# KiCad board FlightComputer.kicad_pcb (continued)
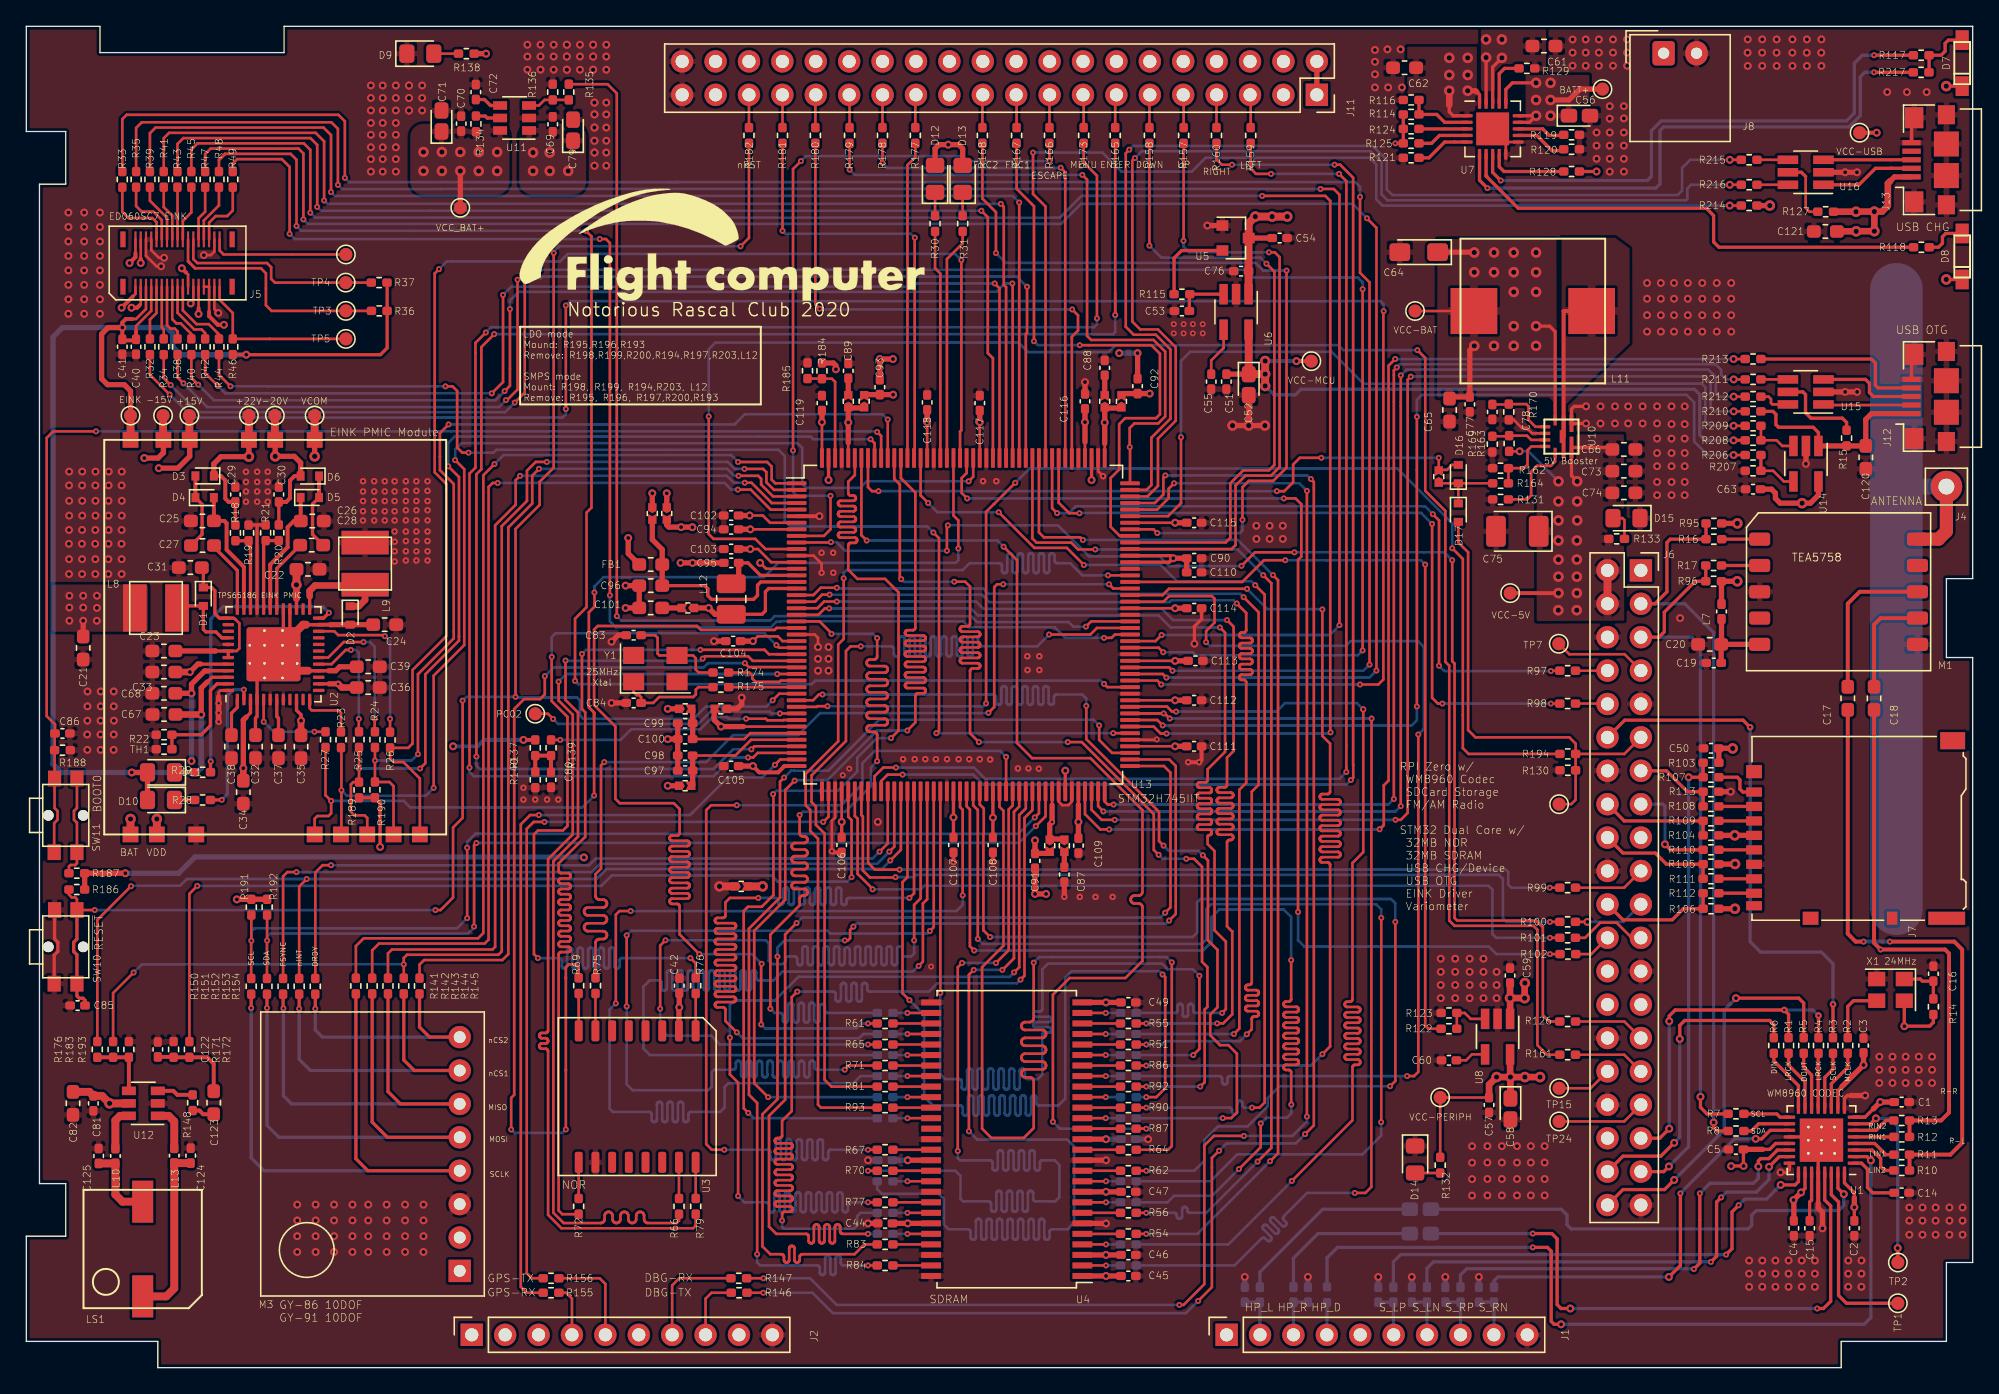
[diagram p0: board, top side]
## Placement (name value [footprint] x y rotation side) (continued)
R80  33R  [R_0402_1005Metric_Pad0.72x0.64mm_HandSolder]  65.3 11.78 0 bottom
R81  33R  [R_0402_1005Metric_Pad0.72x0.64mm_HandSolder]  65.3 21.38 180 top
R82  33R  [R_0402_1005Metric_Pad0.72x0.64mm_HandSolder]  65.3 10.17 0 bottom
R83  33R  [R_0402_1005Metric_Pad0.72x0.64mm_HandSolder]  65.3 9.38 0 top
R84  33R  [R_0402_1005Metric_Pad0.72x0.64mm_HandSolder]  65.3 7.78 0 top
R85  33R  [R_0402_1005Metric_Pad0.72x0.64mm_HandSolder]  83.8 22.17 0 bottom
R86  33R  [R_0402_1005Metric_Pad0.72x0.64mm_HandSolder]  83.8 22.97 0 top
R87  33R  [R_0402_1005Metric_Pad0.72x0.64mm_HandSolder]  83.8 18.17 0 top
R88  33R  [R_0402_1005Metric_Pad0.72x0.64mm_HandSolder]  65.3 18.97 180 bottom
R89  33R  [R_0402_1005Metric_Pad0.72x0.64mm_HandSolder]  83.8 18.97 0 bottom
R90  33R  [R_0402_1005Metric_Pad0.72x0.64mm_HandSolder]  83.8 19.78 0 top
R91  33R  [R_0402_1005Metric_Pad0.72x0.64mm_HandSolder]  83.8 20.58 0 bottom
R92  33R  [R_0402_1005Metric_Pad0.72x0.64mm_HandSolder]  83.8 21.38 0 top
R93  33R  [R_0402_1005Metric_Pad0.72x0.64mm_HandSolder]  65.3 19.78 180 top
R94  33R  [R_0402_1005Metric_Pad0.72x0.64mm_HandSolder]  65.3 20.58 180 bottom
R95  47K  [R_0402_1005Metric_Pad0.72x0.64mm_HandSolder]  128.32 64.2 180 top
R96  47K  [R_0402_1005Metric_Pad0.72x0.64mm_HandSolder]  128.3 59.8 180 top
R97  33R  [R_0402_1005Metric_Pad0.72x0.64mm_HandSolder]  117.2 53 0 top
R98  33R  [R_0402_1005Metric_Pad0.72x0.64mm_HandSolder]  117.2 50.5 0 top
R99  33R  [R_0402_1005Metric_Pad0.72x0.64mm_HandSolder]  117.2 36.5 180 top
R100  33R  [R_0402_1005Metric_Pad0.72x0.64mm_HandSolder]  117.2 33.9 180 top
R101  33R  [R_0402_1005Metric_Pad0.72x0.64mm_HandSolder]  117.2 32.69 180 top
R102  33R  [R_0402_1005Metric_Pad0.72x0.64mm_HandSolder]  117.22 31.45 0 top
R103  47K  [R_0402_1005Metric_Pad0.72x0.64mm_HandSolder]  128.1 46 180 top
R104  47K  [R_0402_1005Metric_Pad0.72x0.64mm_HandSolder]  128.1 40.48 180 top
R105  47K  [R_0402_1005Metric_Pad0.72x0.64mm_HandSolder]  128.1 38.29 180 top
R106  47K  [R_0402_1005Metric_Pad0.72x0.64mm_HandSolder]  128.1 34.9 180 top
R107  33R  [R_0402_1005Metric_Pad0.72x0.64mm_HandSolder]  128.1 44.9 180 top
R108  33R  [R_0402_1005Metric_Pad0.72x0.64mm_HandSolder]  128.1 42.68 180 top
R109  33R  [R_0402_1005Metric_Pad0.72x0.64mm_HandSolder]  128.1 41.58 180 top
R110  33R  [R_0402_1005Metric_Pad0.72x0.64mm_HandSolder]  128.1 39.38 180 top
R111  33R  [R_0402_1005Metric_Pad0.72x0.64mm_HandSolder]  128.1 37.18 180 top
R112  33R  [R_0402_1005Metric_Pad0.72x0.64mm_HandSolder]  128.1 36.08 180 top
R113  100K  [R_0402_1005Metric_Pad0.72x0.64mm_HandSolder]  128.1 43.8 0 top
R114  270K  [R_0402_1005Metric_Pad0.72x0.64mm_HandSolder]  105.3 95.3 0 top
R115  1M  [R_0402_1005Metric_Pad0.72x0.64mm_HandSolder]  87.87 81.63 180 top
R116  100K  [R_0402_1005Metric_Pad0.72x0.64mm_HandSolder]  105.3 96.4 180 top
R117  N/C  [R_0402_1005Metric_Pad0.72x0.64mm_HandSolder]  144.09 99.8 180 top
R118  1K  [R_0402_1005Metric_Pad0.72x0.64mm_HandSolder]  144.1 85.2 180 top
R119  1K  [R_0402_1005Metric_Pad0.72x0.64mm_HandSolder]  117.5 93.75 180 top
R120  100K  [R_0402_1005Metric_Pad0.72x0.64mm_HandSolder]  117.5 92.65 180 top
R121  15K  [R_0402_1005Metric_Pad0.72x0.64mm_HandSolder]  105.3 92 0 top
R122  33R  [R_0402_1005Metric_Pad0.72x0.64mm_HandSolder]  108.17 25.78 180 top
R123  100K  [R_0402_1005Metric_Pad0.72x0.64mm_HandSolder]  108.17 26.97 0 top
R124  0R  [R_0402_1005Metric_Pad0.72x0.64mm_HandSolder]  105.3 94.2 180 top
R125  0R  [R_0402_1005Metric_Pad0.72x0.64mm_HandSolder]  105.3 93.1 180 top
R126  33R  [R_0402_1005Metric_Pad0.72x0.64mm_HandSolder]  117.2 26.33 180 top
R127  0R  [R_0402_1005Metric_Pad0.72x0.64mm_HandSolder]  136.82 87.9 180 top
R128  0R  [R_0402_1005Metric_Pad0.72x0.64mm_HandSolder]  117.5 90.96 0 top
R129  0R  [R_0402_1005Metric_Pad0.72x0.64mm_HandSolder]  114.1 98.8 0 top
R130  100K  [R_0402_1005Metric_Pad0.72x0.64mm_HandSolder]  117.21 45.43 180 top
R131  0R  [R_0402_1005Metric_Pad0.72x0.64mm_HandSolder]  112.1 66.03 0 top
R132  1K  [R_0402_1005Metric_Pad0.72x0.64mm_HandSolder]  107.51 15.4 270 top
R133  1K  [R_0402_1005Metric_Pad0.72x0.64mm_HandSolder]  120.92 63.02 0 top
R134  1K  [R_0402_1005Metric_Pad0.72x0.64mm_HandSolder]  34.19 94.58 270 top
R135  33R  [R_0402_1005Metric_Pad0.72x0.64mm_HandSolder]  41.25 97 270 top
R136  100K  [R_0402_1005Metric_Pad0.72x0.64mm_HandSolder]  40.03 97 270 top
R137  560K  [R_0402_1005Metric_Pad0.72x0.64mm_HandSolder]  38.7 47.14 270 top
R138  1K  [R_0402_1005Metric_Pad0.72x0.64mm_HandSolder]  33.46 99.92 180 top
R139  0R  [R_0402_1005Metric_Pad0.72x0.64mm_HandSolder]  39.9 47.14 270 top
R140  1M  [R_0402_1005Metric_Pad0.72x0.64mm_HandSolder]  38.7 44.7 90 top
R141  33R  [R_0402_1005Metric_Pad0.72x0.64mm_HandSolder]  25.06 29.03 90 top
R142  33R  [R_0402_1005Metric_Pad0.72x0.64mm_HandSolder]  26.3 29.03 90 top
R143  33R  [R_0402_1005Metric_Pad0.72x0.64mm_HandSolder]  27.5 29.03 90 top
R144  33R  [R_0402_1005Metric_Pad0.72x0.64mm_HandSolder]  28.7 29.03 90 top
R145  33R  [R_0402_1005Metric_Pad0.72x0.64mm_HandSolder]  29.9 29.03 90 top
R146  33R  [R_0402_1005Metric_Pad0.72x0.64mm_HandSolder]  54.2 5.7 0 top
R147  33R  [R_0402_1005Metric_Pad0.72x0.64mm_HandSolder]  54.17 6.8 0 top
R148  47K  [R_0402_1005Metric_Pad0.72x0.64mm_HandSolder]  12.65 20.15 90 top
R150  33R  [R_0402_1005Metric_Pad0.72x0.64mm_HandSolder]  17.1 29 90 top
R151  33R  [R_0402_1005Metric_Pad0.72x0.64mm_HandSolder]  18.3 29 90 top
R152  33R  [R_0402_1005Metric_Pad0.72x0.64mm_HandSolder]  19.52 29 90 top
R153  33R  [R_0402_1005Metric_Pad0.72x0.64mm_HandSolder]  20.75 29 90 top
R154  33R  [R_0402_1005Metric_Pad0.72x0.64mm_HandSolder]  21.98 29 90 top
R155  33R  [R_0402_1005Metric_Pad0.72x0.64mm_HandSolder]  39.9 5.7 180 top
R156  33R  [R_0402_1005Metric_Pad0.72x0.64mm_HandSolder]  39.9 6.8 180 top
R157  0R  [R_0402_1005Metric_Pad0.72x0.64mm_HandSolder]  88 93.7 270 top
R158  0R  [R_0402_1005Metric_Pad0.72x0.64mm_HandSolder]  85.4 93.7 270 top
R159  0R  [R_0402_1005Metric_Pad0.72x0.64mm_HandSolder]  93.1 93.7 270 top
R160  0R  [R_0402_1005Metric_Pad0.72x0.64mm_HandSolder]  90.5 93.7 270 top
R161  33R  [R_0402_1005Metric_Pad0.72x0.64mm_HandSolder]  117.2 23.8 180 top
R162  1M  [R_0402_1005Metric_Pad0.72x0.64mm_HandSolder]  112.1 68.4 180 top
R163  1M  [R_0402_1005Metric_Pad0.72x0.64mm_HandSolder]  112.75 70.28 90 top
R164  33R  [R_0402_1005Metric_Pad0.72x0.64mm_HandSolder]  112.1 67.25 0 top
R165  0R  [R_0402_1005Metric_Pad0.72x0.64mm_HandSolder]  82.8 93.7 270 top
R166  0R  [R_0402_1005Metric_Pad0.72x0.64mm_HandSolder]  77.8 93.7 270 top
R167  0R  [R_0402_1005Metric_Pad0.72x0.64mm_HandSolder]  75.3 93.7 270 top
R168  0R  [R_0402_1005Metric_Pad0.72x0.64mm_HandSolder]  72.7 93.7 270 top
R169  332K 0.5%  [R_0402_1005Metric_Pad0.72x0.64mm_HandSolder]  111.47 70.22 90 top
R170  41.2K 0.5%  [R_0402_1005Metric_Pad0.72x0.64mm_HandSolder]  112.72 72.67 90 top
R171  1K  [R_0402_1005Metric_Pad0.72x0.64mm_HandSolder]  11.2 24.2 90 top
R172  2K  [R_0402_1005Metric_Pad0.72x0.64mm_HandSolder]  12.4 24.2 90 top
R173  0R  [R_0402_1005Metric_Pad0.72x0.64mm_HandSolder]  80.4 93.7 270 top
R174  0R  [R_0402_1005Metric_Pad0.72x0.64mm_HandSolder]  52.81 52.86 0 top
R175  0R  [R_0402_1005Metric_Pad0.72x0.64mm_HandSolder]  52.81 51.75 0 top
R176  33R  [R_0402_1005Metric_Pad0.72x0.64mm_HandSolder]  5.4 24.2 90 top
R177  33R  [R_0402_1005Metric_Pad0.72x0.64mm_HandSolder]  67.6 93.7 90 top
R178  33R  [R_0402_1005Metric_Pad0.72x0.64mm_HandSolder]  65.1 93.7 90 top
R179  33R  [R_0402_1005Metric_Pad0.72x0.64mm_HandSolder]  62.6 93.7 90 top
R180  33R  [R_0402_1005Metric_Pad0.72x0.64mm_HandSolder]  60 93.7 90 top
R181  33R  [R_0402_1005Metric_Pad0.72x0.64mm_HandSolder]  57.5 93.7 90 top
R182  33R  [R_0402_1005Metric_Pad0.72x0.64mm_HandSolder]  54.95 93.7 90 top
R183  33R  [R_0402_1005Metric_Pad0.72x0.64mm_HandSolder]  6.6 24.2 90 top
R184  10K  [R_0402_1005Metric_Pad0.72x0.64mm_HandSolder]  60.5 75.8 270 top
R185  N/C  [R_0402_1005Metric_Pad0.72x0.64mm_HandSolder]  59.4 75.81 270 top
R186  100K  [R_0402_1005Metric_Pad0.72x0.64mm_HandSolder]  3.84 36.36 0 top
R187  1K  [R_0402_1005Metric_Pad0.72x0.64mm_HandSolder]  3.84 37.6 0 top
R188  100K  [R_0402_1005Metric_Pad0.72x0.64mm_HandSolder]  2.75 46.96 180 top
R189  10K  [R_0402_1005Metric_Pad0.72x0.64mm_HandSolder]  25.3 43.93 90 top
R190  10K  [R_0402_1005Metric_Pad0.72x0.64mm_HandSolder]  26.51 43.94 90 top
R191  10K  [R_0402_1005Metric_Pad0.72x0.64mm_HandSolder]  17.11 35.02 270 top
R192  10K  [R_0402_1005Metric_Pad0.72x0.64mm_HandSolder]  18.31 35.02 270 top
R193  100K  [R_0402_1005Metric_Pad0.72x0.64mm_HandSolder]  7.8 24.2 90 top
R194  33R  [R_0402_1005Metric_Pad0.72x0.64mm_HandSolder]  117.21 46.67 0 top
R206  33R  [R_0402_1005Metric_Pad0.72x0.64mm_HandSolder]  131.3 69.4 0 top
R207  10K  [R_0402_1005Metric_Pad0.72x0.64mm_HandSolder]  131.3 68.2 180 top
R208  47k  [R_0402_1005Metric_Pad0.72x0.64mm_HandSolder]  131.3 70.52 180 top
R209  33R  [R_0402_1005Metric_Pad0.72x0.64mm_HandSolder]  131.3 71.62 0 top
R210  33R  [R_0402_1005Metric_Pad0.72x0.64mm_HandSolder]  131.3 72.72 0 top
R211  33R  [R_0402_1005Metric_Pad0.72x0.64mm_HandSolder]  131.3 75.15 0 top
R212  33R  [R_0402_1005Metric_Pad0.72x0.64mm_HandSolder]  131.3 73.84 0 top
R213  33R  [R_0402_1005Metric_Pad0.72x0.64mm_HandSolder]  131.3 76.7 0 top
R214  33R  [R_0402_1005Metric_Pad0.72x0.64mm_HandSolder]  131 88.37 0 top
R215  33R  [R_0402_1005Metric_Pad0.72x0.64mm_HandSolder]  131 91.85 0 top
R216  33R  [R_0402_1005Metric_Pad0.72x0.64mm_HandSolder]  131 89.95 0 top
R217  1K  [R_0402_1005Metric_Pad0.72x0.64mm_HandSolder]  144.08 98.5 180 top
SW10  SW_Push  [SW-TACT-436351045816]  3 32 270 top
SW11  SW_Push  [SW-TACT-436351045816]  3 42 270 top
TH1  NCP18XH103F03RB(10K)  [R_0402_1005Metric_Pad0.72x0.64mm_HandSolder]  10.47 47.03 180 top
TP1  OUT3  [TestPoint_Pad_D1.0mm]  142.31 4.9 90 top
TP2  RINPUT3  [TestPoint_Pad_D1.0mm]  142.31 8 180 top
TP3  EINK_SPI_SCL  [TestPoint_Pad_D1.0mm]  24.3 80.36 0 top
TP4  EINK_SPI_SDI  [TestPoint_Pad_D1.0mm]  24.29 82.51 0 top
TP5  EINK_SPI_CS  [TestPoint_Pad_D1.0mm]  24.3 78.23 0 top
TP6  EINK_SPI_SDO  [TestPoint_Pad_D1.0mm]  24.3 84.65 0 top
TP7  GPCLK0  [TestPoint_Pad_D1.0mm]  116.53 55.05 0 top
TP8  +22V  [TestPoint_Pad_D1.0mm]  16.93 72.4 0 top
TP9  -20V  [TestPoint_Pad_D1.0mm]  18.9 72.4 0 top
TP10  +15V  [TestPoint_Pad_D1.0mm]  12.4 72.4 0 top
TP11  -15V  [TestPoint_Pad_D1.0mm]  10.4 72.4 0 top
TP12  VCOM  [TestPoint_Pad_D1.0mm]  21.93 72.4 0 top
TP13  PC2  [TestPoint_Pad_D1.0mm]  38.7 49.73 0 top
TP14  BCM17  [TestPoint_Pad_D1.0mm]  116.55 42.85 0 top
TP15  PWM0  [TestPoint_Pad_D1.0mm]  116.55 21.25 0 top
TP16  VCC-EINK  [TestPoint_Pad_D1.0mm]  7.92 72.4 0 top
TP17  +BATT  [TestPoint_Pad_D1.0mm]  119.85 97.22 0 top
TP18  VCC_MCU  [TestPoint_Pad_D1.0mm]  97.71 76.54 0 top
TP19  VCC_BAT  [TestPoint_Pad_D1.0mm]  105.6 80.35 0 top
TP20  VCC_PERIH  [TestPoint_Pad_D1.0mm]  107.51 20.55 0 top
TP21  VCC_5V  [TestPoint_Pad_D1.0mm]  112.83 58.9 0 top
TP22  VCC_BAT+  [TestPoint_Pad_D1.0mm]  33 88.2 0 top
TP23  VCC_USB  [TestPoint_Pad_D1.0mm]  139.4 93.91 0 top
TP24  PWM1  [TestPoint_Pad_D1.0mm]  116.55 18.72 0 top
U1  WM8960  [QFN-32-1EP_5x5mm_P0.5mm_EP3.3x3.3mm_ThermalVias]  136.5 17.3 180 top
U2  TPS65186  [TPS65186-VQFN-48]  18.8 54.25 90 top
U3  MT25QL512ABB8ESF  [SOP2-16_7.5x10.3mm_P1.27mm]  46.45 20.61 270 top
U4  MT48LC16M16A2P  [TSOP-II-54_22.2x10.16mm_P0.8mm]  74.55 17.38 180 top
U5  MAX809TTRG  [SOT-23]  91.95 85.9 0 top
U6  XC6220B331MR-G  [SOT-23-5_HandSoldering]  91.99 80.28 270 top
U7  MCP73871  [QFN-20-1EP_4x4mm_P0.5mm_EP2.5x2.5mm]  111.5 94.2 0 top
U8  XC6220B331MR-G  [SOT-23-5_HandSoldering]  111.88 25.17 270 top
U9  -  [EPD_PMIC]  18.93 55.55 0 top
U10  TPS61235P  [VQFN-9]  116.72 70.8 270 top
U11  TPS22917DBV  [SOT-23-6]  37.13 95.03 180 top
U12  PAM8301  [SOT-23-6]  8.9 20.1 180 top
U13  STM32H745IIT  [LQFP-176_24x24mm_P0.5mm]  71.25 56.5 0 top
U14  STMPS2151STR  [SOT-23-5_HandSoldering]  135.32 68.74 270 top
U15  USBLC6-2SC6  [SOT-23-6_Handsoldering]  135.3 74.2 180 top
U16  USBLC6-2SC6  [SOT-23-6_Handsoldering]  135.3 90.9 180 top
X1  24MHz  [Oscillator_SMD_Abracon_ASE-4Pin_3.2x2.5mm]  141.75 28.73 180 top
Y1  25MHz  [Crystal_SMD_5032-4Pin_5.0x3.2mm]  47.83 53.16 0 top

## Footprints (pads in the part's own frame, mm; a bottom-side part is the same pattern mirrored in y, then rotated)
AXT334124
  rect 0.16x1.2 smd: 1(3.2,1.8) 2(3.2,-1.8) 3(2.8,1.8) 4(2.8,-1.8) 5(2.4,1.8) 6(2.4,-1.8) 7(2,1.8) 8(2,-1.8) 9(1.6,1.8) 10(1.6,-1.8) 11(1.2,1.8) 12(1.2,-1.8) 13(0.8,1.8) 14(0.8,-1.8) 15(0.4,1.8) 16(0.4,-1.8) 17(0,1.8) 18(0,-1.8) 19(-0.4,1.8) 20(-0.4,-1.8) 21(-0.8,1.8) 22(-0.8,-1.8) 23(-1.2,1.8) 24(-1.2,-1.8) 25(-1.6,1.8) 26(-1.6,-1.8) 27(-2,1.8) 28(-2,-1.8) 29(-2.4,1.8) 30(-2.4,-1.8) 31(-2.8,1.8) 32(-2.8,-1.8) 33(-3.2,1.8) 34(-3.2,-1.8)
  rect 0.4x1.2 smd: 35(4.15,1.8) 36(4.15,-1.8) 37(-4.15,1.8) 38(-4.15,-1.8)
C_0402_1005Metric_Pad0.74x0.62mm_HandSolder
  rrect 0.735x0.62 smd: 1(-0.568,0) 2(0.568,0)
C_0603_1608Metric_Pad1.05x0.95mm_HandSolder
  rrect 1.05x0.95 smd: 1(-0.875,0) 2(0.875,0)
CP_EIA-1608-08_AVX-J_Pad1.25x1.05mm_HandSolder
  rrect 1.25x1.05 smd: 1(-0.8,0) 2(0.8,0)
CP_EIA-3216-10_Kemet-I_Pad1.58x1.35mm_HandSolder
  rrect 1.575x1.35 smd: 1(-1.438,0) 2(1.438,0)
CP_EIA-3528-15_AVX-H_Pad1.50x2.35mm_HandSolder
  rrect 1.5x2.35 smd: 1(-1.625,0) 2(1.625,0)
Crystal_SMD_5032-4Pin_5.0x3.2mm
  rect 1.6x1.3 smd: 1(-1.65,-1) 2(1.65,-1) 3(1.65,1) 4(-1.65,1)
D_0805_2012Metric_Pad1.15x1.40mm_HandSolder
  rrect 1.15x1.4 smd: 1(-1.025,0) 2(1.025,0)
D_SOD-523
  rect 0.6x0.7 smd: 1(-0.7,0) 2(0.7,0)
EPD_PMIC
  rect 1.2x1.2 smd: 1(-11,-15) 2(-9,-15) 3(-6,-15) 4(3,-15) 5(5,-15) 6(7,-15) 7(9,-15) 8(11,-15) 9(-11,15) 10(-8.5,15) 11(-6.5,15) 12(-2,15) 13(0,15) 14(3,15)
GY-86
  rect 1.7x1.7 hole 0.9: 1(-6.63,8.89)
  round 1.7 hole 0.9: 2(-6.63,6.35) 3(-6.63,3.81) 4(-6.63,1.27) 5(-6.63,-1.27) 6(-6.63,-3.81) 7(-6.63,-6.35) 8(-6.63,-8.89)
Jumper_0402_1005Metric
  custom 0.75x0.64 smd: 1(-0.51,0) 2(0.51,0)
L_0402_1005Metric_Pad0.77x0.64mm_HandSolder
  rrect 0.765x0.64 smd: 1(-0.573,0) 2(0.573,0)
L_0603_1608Metric_Pad1.05x0.95mm_HandSolder
  rrect 1.05x0.95 smd: 1(-0.875,0) 2(0.875,0)
L_1008_2520Metric_Pad1.43x2.20mm_HandSolder
  rrect 1.425x2.2 smd: 1(-1.163,0) 2(1.163,0)
L_1515(4040 metric)
  rect 1.8x3.6 smd: 1(1.6,0) 2(-1.6,0)
LED_0805_2012Metric_Pad1.15x1.40mm_HandSolder
  rrect 1.15x1.4 smd: 1(-1.025,0) 2(1.025,0)
LQFP-176_24x24mm_P0.5mm
  rrect 1.5x0.3 smd: 1(-12.675,10.75) 2(-12.675,10.25) 3(-12.675,9.75) 4(-12.675,9.25) 5(-12.675,8.75) 6(-12.675,8.25) 7(-12.675,7.75) 8(-12.675,7.25) 9(-12.675,6.75) 10(-12.675,6.25) 11(-12.675,5.75) 12(-12.675,5.25) 13(-12.675,4.75) 14(-12.675,4.25) 15(-12.675,3.75) 16(-12.675,3.25) 17(-12.675,2.75) 18(-12.675,2.25) 19(-12.675,1.75) 20(-12.675,1.25) 21(-12.675,0.75) 22(-12.675,0.25) 23(-12.675,-0.25) 24(-12.675,-0.75) 25(-12.675,-1.25) 26(-12.675,-1.75) 27(-12.675,-2.25) 28(-12.675,-2.75) 29(-12.675,-3.25) 30(-12.675,-3.75) 31(-12.675,-4.25) 32(-12.675,-4.75) 33(-12.675,-5.25) 34(-12.675,-5.75) 35(-12.675,-6.25) 36(-12.675,-6.75) 37(-12.675,-7.25) 38(-12.675,-7.75) 39(-12.675,-8.25) 40(-12.675,-8.75) 41(-12.675,-9.25) 42(-12.675,-9.75) 43(-12.675,-10.25) 44(-12.675,-10.75) 89(12.675,-10.75) 90(12.675,-10.25) 91(12.675,-9.75) 92(12.675,-9.25) 93(12.675,-8.75) 94(12.675,-8.25) 95(12.675,-7.75) 96(12.675,-7.25) 97(12.675,-6.75) 98(12.675,-6.25) 99(12.675,-5.75) 100(12.675,-5.25) 101(12.675,-4.75) 102(12.675,-4.25) 103(12.675,-3.75) 104(12.675,-3.25) 105(12.675,-2.75) 106(12.675,-2.25) 107(12.675,-1.75) 108(12.675,-1.25) 109(12.675,-0.75) 110(12.675,-0.25) 111(12.675,0.25) 112(12.675,0.75) 113(12.675,1.25) 114(12.675,1.75) 115(12.675,2.25) 116(12.675,2.75) 117(12.675,3.25) 118(12.675,3.75) 119(12.675,4.25) 120(12.675,4.75) 121(12.675,5.25) 122(12.675,5.75) 123(12.675,6.25) 124(12.675,6.75) 125(12.675,7.25) 126(12.675,7.75) 127(12.675,8.25) 128(12.675,8.75) 129(12.675,9.25) 130(12.675,9.75) 131(12.675,10.25) 132(12.675,10.75)
  rrect 0.3x1.5 smd: 45(-10.75,-12.675) 46(-10.25,-12.675) 47(-9.75,-12.675) 48(-9.25,-12.675) 49(-8.75,-12.675) 50(-8.25,-12.675) 51(-7.75,-12.675) 52(-7.25,-12.675) 53(-6.75,-12.675) 54(-6.25,-12.675) 55(-5.75,-12.675) 56(-5.25,-12.675) 57(-4.75,-12.675) 58(-4.25,-12.675) 59(-3.75,-12.675) 60(-3.25,-12.675) 61(-2.75,-12.675) 62(-2.25,-12.675) 63(-1.75,-12.675) 64(-1.25,-12.675) 65(-0.75,-12.675) 66(-0.25,-12.675) 67(0.25,-12.675) 68(0.75,-12.675) 69(1.25,-12.675) 70(1.75,-12.675) 71(2.25,-12.675) 72(2.75,-12.675) 73(3.25,-12.675) 74(3.75,-12.675) 75(4.25,-12.675) 76(4.75,-12.675) 77(5.25,-12.675) 78(5.75,-12.675) 79(6.25,-12.675) 80(6.75,-12.675) 81(7.25,-12.675) 82(7.75,-12.675) 83(8.25,-12.675) 84(8.75,-12.675) 85(9.25,-12.675) 86(9.75,-12.675) 87(10.25,-12.675) 88(10.75,-12.675) 133(10.75,12.675) 134(10.25,12.675) 135(9.75,12.675) 136(9.25,12.675) 137(8.75,12.675) 138(8.25,12.675) 139(7.75,12.675) 140(7.25,12.675) 141(6.75,12.675) 142(6.25,12.675) 143(5.75,12.675) 144(5.25,12.675) 145(4.75,12.675) 146(4.25,12.675) 147(3.75,12.675) 148(3.25,12.675) 149(2.75,12.675) 150(2.25,12.675) 151(1.75,12.675) 152(1.25,12.675) 153(0.75,12.675) 154(0.25,12.675) 155(-0.25,12.675) 156(-0.75,12.675) 157(-1.25,12.675) 158(-1.75,12.675) 159(-2.25,12.675) 160(-2.75,12.675) 161(-3.25,12.675) 162(-3.75,12.675) 163(-4.25,12.675) 164(-4.75,12.675) 165(-5.25,12.675) 166(-5.75,12.675) 167(-6.25,12.675) 168(-6.75,12.675) 169(-7.25,12.675) 170(-7.75,12.675) 171(-8.25,12.675) 172(-8.75,12.675) 173(-9.25,12.675) 174(-9.75,12.675) 175(-10.25,12.675) 176(-10.75,12.675)
microSD_HC_Hirose_DM3AT-SF-PEJM5
  rect 0.7x1.2 smd: 1(2.775,7.725) 2(1.675,7.725) 3(0.575,7.725) 4(-0.525,7.725) 5(-1.625,7.725) 6(-2.725,7.725) 7(-3.825,7.725) 8(-4.925,7.725) 9(-5.875,7.725)
  rect 1x0.8 smd: 10(-6.825,-2.775)
  rect 1x1.2 smd: 11(-6.825,3.425) 11(4.325,7.725)
  rect 1x2.8 smd: 11(-6.825,-6.925)
  rect 1.3x1.9 smd: 11(6.675,-7.375)
Molex_SPOX_5268-02A_1x02_P2.50mm_Horizontal
  rrect 1.7x1.85 hole 0.85: 1(0,0)
  oval 1.7x1.85 hole 0.85: 2(2.5,0)
Oscillator_SMD_Abracon_ASE-4Pin_3.2x2.5mm
  rect 1.3x1.1 smd: 1(-1.05,-0.825) 2(1.05,-0.825) 3(1.05,0.825) 4(-1.05,0.825)
Pin_D1.2mm_L10.2mm_W2.9mm_FlatFork
  round 2.4 hole 1.2: 1(0,0)
PinSocket_1x10_P2.54mm_Vertical
  rect 1.7x1.7 hole 1: 1(0,0)
  oval 1.7x1.7 hole 1: 2(0,-2.54) 3(0,-5.08) 4(0,-7.62) 5(0,-10.16) 6(0,-12.7) 7(0,-15.24) 8(0,-17.78) 9(0,-20.32) 10(0,-22.86)
PinSocket_2x20_P2.54mm_Vertical
  rect 1.7x1.7 hole 1: 1(0,0)
  oval 1.7x1.7 hole 1: 2(-2.54,0) 3(0,-2.54) 4(-2.54,-2.54) 5(0,-5.08) 6(-2.54,-5.08) 7(0,-7.62) 8(-2.54,-7.62) 9(0,-10.16) 10(-2.54,-10.16) 11(0,-12.7) 12(-2.54,-12.7) 13(0,-15.24) 14(-2.54,-15.24) 15(0,-17.78) 16(-2.54,-17.78) 17(0,-20.32) 18(-2.54,-20.32) 19(0,-22.86) 20(-2.54,-22.86) 21(0,-25.4) 22(-2.54,-25.4) 23(0,-27.94) 24(-2.54,-27.94) 25(0,-30.48) 26(-2.54,-30.48) 27(0,-33.02) 28(-2.54,-33.02) 29(0,-35.56) 30(-2.54,-35.56) 31(0,-38.1) 32(-2.54,-38.1) 33(0,-40.64) 34(-2.54,-40.64) 35(0,-43.18) 36(-2.54,-43.18) 37(0,-45.72) 38(-2.54,-45.72) 39(0,-48.26) 40(-2.54,-48.26)
QFN-20-1EP_4x4mm_P0.5mm_EP2.5x2.5mm
  rrect 1.01x1.01 smd: (-0.625,0.625) (-0.625,-0.625) (0.625,0.625) (0.625,-0.625)
  rrect 0.825x0.25 smd: 1(-1.938,1) 2(-1.938,0.5) 3(-1.938,0) 4(-1.938,-0.5) 5(-1.938,-1) 11(1.938,-1) 12(1.938,-0.5) 13(1.938,0) 14(1.938,0.5) 15(1.938,1)
  rrect 0.25x0.825 smd: 6(-1,-1.938) 7(-0.5,-1.938) 8(0,-1.938) 9(0.5,-1.938) 10(1,-1.938) 16(1,1.938) 17(0.5,1.938) 18(0,1.938) 19(-0.5,1.938) 20(-1,1.938)
  rect 2.5x2.5 smd: 21(0,0)
QFN-32-1EP_5x5mm_P0.5mm_EP3.3x3.3mm_ThermalVias
  custom 0.524x0.524 smd: (-1.325,1.325) (-1.325,-1.325) (1.325,1.325) (1.325,-1.325)
  custom 0.524x0.806 smd: (-1.325,0.5) (-1.325,-0.5) (1.325,0.5) (1.325,-0.5)
  custom 0.806x0.524 smd: (-0.5,1.325) (-0.5,-1.325) (0.5,1.325) (0.5,-1.325)
  rrect 0.806x0.806 smd: (-0.5,0.5) (-0.5,-0.5) (0.5,0.5) (0.5,-0.5)
  rrect 0.875x0.25 smd: 1(-2.438,1.75) 2(-2.438,1.25) 3(-2.438,0.75) 4(-2.438,0.25) 5(-2.438,-0.25) 6(-2.438,-0.75) 7(-2.438,-1.25) 8(-2.438,-1.75) 17(2.438,-1.75) 18(2.438,-1.25) 19(2.438,-0.75) 20(2.438,-0.25) 21(2.438,0.25) 22(2.438,0.75) 23(2.438,1.25) 24(2.438,1.75)
  rrect 0.25x0.875 smd: 9(-1.75,-2.438) 10(-1.25,-2.438) 11(-0.75,-2.438) 12(-0.25,-2.438) 13(0.25,-2.438) 14(0.75,-2.438) 15(1.25,-2.438) 16(1.75,-2.438) 25(1.75,2.438) 26(1.25,2.438) 27(0.75,2.438) 28(0.25,2.438) 29(-0.25,2.438) 30(-0.75,2.438) 31(-1.25,2.438) 32(-1.75,2.438)
  round 0.5 hole 0.2: 33(-1,1) 33(-1,0) 33(-1,-1) 33(0,1) 33(0,0) 33(0,-1) 33(1,1) 33(1,0) 33(1,-1)
  rect 2.5x2.5 smd far side: 33(0,0)
  rect 3.3x3.3 smd: 33(0,0)
R_0402_1005Metric_Pad0.72x0.64mm_HandSolder
  rrect 0.715x0.64 smd: 1(-0.598,0) 2(0.598,0)
SML-LXR85GC-TR
  rect 1.5x1 smd: 1(-1.75,0) 2(1.75,0)
SMT-0927-S-12-R
  rect 1.6x3.2 smd: 1(0,3.6) 2(0,-3.6)
SOP2-16_7.5x10.3mm_P1.27mm
  rrect 1.6x0.6 smd: 1(-5,4.445) 2(-5,3.175) 3(-5,1.905) 4(-5,0.635) 5(-5,-0.635) 6(-5,-1.905) 7(-5,-3.175) 8(-5,-4.445) 9(5,-4.445) 10(5,-3.175) 11(5,-1.905) 12(5,-0.635) 13(5,0.635) 14(5,1.905) 15(5,3.175) 16(5,4.445)
SOT-23
  rect 0.9x0.8 smd: 1(-1,0.95) 2(-1,-0.95) 3(1,0)
SOT-23-5_HandSoldering
  rect 1.56x0.65 smd: 1(-1.35,0.95) 2(-1.35,0) 3(-1.35,-0.95) 4(1.35,-0.95) 5(1.35,0.95)
SOT-23-6
  rect 1.06x0.65 smd: 1(-1.1,0.95) 2(-1.1,0) 3(-1.1,-0.95) 4(1.1,-0.95) 5(1.1,0) 6(1.1,0.95)
SOT-23-6_Handsoldering
  rect 1.56x0.65 smd: 1(-1.35,0.95) 2(-1.35,0) 3(-1.35,-0.95) 4(1.35,-0.95) 5(1.35,0) 6(1.35,0.95)
SRP1038C-1R0M
  rect 3.55x3.5 smd: 1(-4.475,0) 2(4.475,0)
SW-TACT-436351045816
  rect 1.2x1 smd: 1(-2.8,0.85) 1(2.8,0.85) 2(-2.8,-0.85) 2(2.8,-0.88)
  round 0.8 hole 0.8: 6(0,1.325) 7(0,-1.325)
TEA5756-TJ-102BC
  rrect 1.6x1 smd: 1(6,-4) 2(6,-2) 3(6,0) 4(6,2) 5(6,4) 6(-6,4) 7(-6,2) 8(-6,0) 9(-6,-2) 10(-6,-4)
TestPoint_Pad_D1.0mm
  round 1 smd: 1(0,0)
TPS65186-VQFN-48
  rrect 1.17x1.17 smd: (-1.37,1.37) (-1.37,0) (-1.37,-1.37) (0,1.37) (0,0) (0,-1.37) (1.37,1.37) (1.37,0) (1.37,-1.37)
  rrect 0.875x0.25 smd: 1(-3.438,2.75) 2(-3.438,2.25) 3(-3.438,1.75) 4(-3.438,1.25) 5(-3.438,0.75) 6(-3.438,0.25) 7(-3.438,-0.25) 8(-3.438,-0.75) 9(-3.438,-1.25) 10(-3.438,-1.75) 11(-3.438,-2.25) 12(-3.438,-2.75) 25(3.438,-2.75) 26(3.438,-2.25) 27(3.438,-1.75) 28(3.438,-1.25) 29(3.438,-0.75) 30(3.438,-0.25) 31(3.438,0.25) 32(3.438,0.75) 33(3.438,1.25) 34(3.438,1.75) 35(3.438,2.25) 36(3.438,2.75)
  rrect 0.25x0.875 smd: 13(-2.75,-3.438) 14(-2.25,-3.438) 15(-1.75,-3.438) 16(-1.25,-3.438) 17(-0.75,-3.438) 18(-0.25,-3.438) 19(0.25,-3.438) 20(0.75,-3.438) 21(1.25,-3.438) 22(1.75,-3.438) 23(2.25,-3.438) 24(2.75,-3.438) 37(2.75,3.438) 38(2.25,3.438) 39(1.75,3.438) 40(1.25,3.438) 41(0.75,3.438) 42(0.25,3.438) 43(-0.25,3.438) 44(-0.75,3.438) 45(-1.25,3.438) 46(-1.75,3.438) 47(-2.25,3.438) 48(-2.75,3.438)
  round 0.5 hole 0.2: 49(-1.8,0.685) 49(-1.8,-0.685) 49(-0.7,-1.8) 49(-0.685,1.8) 49(-0.685,0.685) 49(-0.685,-0.685) 49(0.685,1.8) 49(0.685,0.685) 49(0.685,-0.685) 49(0.7,-1.8) 49(1.8,0.685) 49(1.8,-0.685)
  rrect 4.1x4.1 smd: 49(0,0)
  rrect 4.1x4.1 smd far side: 49(0,0)
TSOP-II-54_22.2x10.16mm_P0.8mm
  rect 1.51x0.458 smd: 1(-5.75,10.4) 2(-5.75,9.6) 3(-5.75,8.8) 4(-5.75,8) 5(-5.75,7.2) 6(-5.75,6.4) 7(-5.75,5.6) 8(-5.75,4.8) 9(-5.75,4) 10(-5.75,3.2) 11(-5.75,2.4) 12(-5.75,1.6) 13(-5.75,0.8) 14(-5.75,0) 15(-5.75,-0.8) 16(-5.75,-1.6) 17(-5.75,-2.4) 18(-5.75,-3.2) 19(-5.75,-4) 20(-5.75,-4.8) 21(-5.75,-5.6) 22(-5.75,-6.4) 23(-5.75,-7.2) 24(-5.75,-8) 25(-5.75,-8.8) 26(-5.75,-9.6) 27(-5.75,-10.4) 28(5.75,-10.4) 29(5.75,-9.6) 30(5.75,-8.8) 31(5.75,-8) 32(5.75,-7.2) 33(5.75,-6.4) 34(5.75,-5.6) 35(5.75,-4.8) 36(5.75,-4) 37(5.75,-3.2) 38(5.75,-2.4) 39(5.75,-1.6) 40(5.75,-0.8) 41(5.75,0) 42(5.75,0.8) 43(5.75,1.6) 44(5.75,2.4) 45(5.75,3.2) 46(5.75,4) 47(5.75,4.8) 48(5.75,5.6) 49(5.75,6.4) 50(5.75,7.2) 51(5.75,8) 52(5.75,8.8) 53(5.75,9.6) 54(5.75,10.4)
USB_Micro-B_TE-1981568-1
  rect 0.4x1.4 smd: 1(-1.3,2.65) 2(-0.65,2.65) 3(0,2.65) 4(0.65,2.65) 5(1.3,2.65)
  rect 1.45x1.3 smd: 6(-3.425,0) 6(3.425,0)
  rect 1.6x1.4 smd: 6(-3.2,2.45) 6(3.2,2.45)
  rect 1.9x1.9 smd: 6(-1.2,0) 6(1.2,0)
VQFN-9
  rect 1.3x0.3 smd: 1(-1,0.77)
  custom 3.3x0.45 smd: 2(0,0.17)
  rect 0.8x0.25 smd: 3(-1.25,-0.475) 8(1.25,-0.475)
  rect 0.25x0.8 smd: 4(-0.75,-1.25) 5(-0.25,-1.25) 6(0.25,-1.25) 7(0.75,-1.25)
  rect 1.65x0.3 smd: 9(0.825,0.77)

## Nets
+15V: C33.1 J5.2 J5.4 TP10.1 U2.44 U9.11
+22V: C29.2 D3.1 J5.25 R18.1 TP8.1 U9.12
-15V: C34.2 J5.1 J5.3 TP11.1 U2.3 U9.10
-20V: C30.1 D6.2 J5.27 J5.29 R20.2 TP9.1 U9.13
/MCU/MCU_POWER/VDDA: C97.1 C98.1 JP9.1 U13.40
/MCU/MCU_POWER/VDDLDO: JP1.2 JP2.2 U13.82 U13.135 U13.175
/MCU/MCU_POWER/VDDSMPS: C96.1 FB1.2 JP1.1 U13.16
/MCU/MCU_POWER/VSSA: C97.2 C98.2 C99.2 C100.2 JP12.1 U13.38
GND: C1.2 C2.2 C3.2 C4.2 C5.2 C6.2 C7.2 C10.2 C11.2 C12.2 C13.2 C14.2 C15.1 C16.1 C19.2 C20.2 C21.2 C22.1 C23.2 C24.1 C25.2 C26.1 C29.1 C30.2 C31.2 C32.1 C33.2 C34.1 C35.2 C36.2 C37.1 C38.1 C39.1 C40.2 C41.2 C42.2 C43.1 C44.1 C45.1 C46.1 C47.1 C48.1 C49.1 C50.1 C51.2 C52.2 C53.2 C54.2 C55.2 C56.2 C57.2 C58.2 C59.2 C60.2 C61.2 C62.2 C63.2 C64.2 C65.2 C66.2 C67.1 C68.1 C69.2 C70.2 C71.2 C72.2 C73.2 C74.2 C75.2 C76.2 C77.2 C78.2 C79.2 C80.2 C81.2 C82.2 C83.2 C84.2 C85.2 C86.2 C87.2 C88.2 C89.2 C90.2 C94.2 C102.2 C103.2 C104.2 C105.2 C106.2 C107.2 C108.2 C109.2 C110.2 C111.2 C112.2 C113.2 C114.2 C115.2 C116.2 C117.2 C118.2 C119.2 C120.2 C121.2 C122.2 C124.2 C125.2 D9.1 D14.1 D15.1 J1.10 J2.10 J5.6 J5.8 J5.31 J5.32 J6.6 J6.9 J6.14 J6.20 J6.25 J6.30 J6.34 J6.39 J7.6 J8.2 J11.39 J11.40 J12.5 J12.6 J13.5 J13.6 JP12.2 JP13.2 L9.2 M1.3 M1.6 M3.3 R19.1 R21.2 R22.1 R113.2 R116.2 R119.1 R120.1 R121.1 R123.1 R130.2 R131.1 R136.1 R140.1 R162.2 R169.1 R170.1 R171.2 R185.1 R188.1 R193.2 R207.2 SW10.2 TH1.2 U1.9 U1.20 U1.24 U1.28 U1.33 U2.6 U2.8 U2.33 U2.41 U2.48 U3.10 U4.6 U4.12 U4.28 U4.41 U4.46 U4.52 U4.54 U5.1 U6.2 U7.10 U7.11 U7.21 U8.2 U9.3 U10.1 U10.5 U11.2 U12.2 U13.6 U13.12 U13.24 U13.45 U13.47 U13.64 U13.70 U13.81 U13.83 U13.93 U13.100 U13.106 U13.112 U13.119 U13.134 U13.137 U13.151 U13.159 U13.173 U14.2 U15.2 U16.2 X1.2
GNDS: C91.1 C92.1 C93.1 C95.2 C96.2 C101.2 JP13.1 U13.14
VCC_3V3: C1.1 C2.1 C3.1 C50.2 J1.1 J6.1 J7.4 L7.1 R14.2 R95.1 R96.1 R103.1 R104.1 R105.1 R106.1 U1.8 U1.10 U1.32 X1.4
VCC_5V: C4.1 C5.1 C63.1 C66.1 C73.1 C74.1 C75.1 J6.2 J6.4 R133.1 R163.1 TP21.1 U1.21 U1.26 U10.9 U14.5
VCC_BAT: C54.1 C59.1 C62.1 C64.1 C65.1 C69.1 C76.1 C77.1 C79.1 L11.1 TP19.1 U5.3 U6.1 U7.1 U7.20 U8.1 U10.3 U11.1
VCC_BAT+: C21.1 C22.2 C35.1 C70.1 C71.1 C81.1 C82.1 L8.1 M3.1 R134.2 R137.1 R138.1 TP22.1 U2.10 U2.27 U9.1 U11.6 U12.5
VCC_EINK: C40.1 C41.1 C67.2 D10.2 D11.2 J5.5 J5.7 R36.1 R37.1 R46.1 TP16.1 U2.46 U9.9
VCC_MCU: C51.1 C52.1 C90.1 C94.1 C102.1 C103.1 C104.1 C105.1 C106.1 C107.1 C108.1 C109.1 C110.1 C111.1 C112.1 C113.1 C114.1 C115.1 C116.1 C117.1 C118.1 C119.1 D12.2 D13.2 FB1.1 J11.1 J11.2 JP9.2 JP10.2 R184.1 R186.2 R187.2 R208.2 TP18.1 U6.5 U13.7 U13.8 U13.13 U13.25 U13.44 U13.48 U13.65 U13.71 U13.84 U13.92 U13.99 U13.105 U13.113 U13.120 U13.121 U13.126 U13.136 U13.152 U13.160 U13.176
VCC_PERIH: C42.1 C43.2 C44.2 C45.2 C46.2 C47.2 C48.2 C49.2 C57.1 C58.1 C68.2 J2.1 J2.2 R132.1 R189.1 R190.1 R191.1 R192.1 TP20.1 U2.45 U3.2 U4.1 U4.3 U4.9 U4.14 U4.27 U4.43 U4.49 U8.5 U9.2
VCC_USB: C61.1 C121.1 D7.2 D8.2 J13.1 R114.1 R124.2 R125.2 R127.1 R128.2 R129.2 R214.2 TP23.1 U7.18 U7.19
+BATT: C56.1 J8.1 TP17.1 U7.14 U7.15 U7.16
/Codec/HPDETECT: J1.4 R9.2
/Codec/I2C_SCL: J6.5 R7.2 R17.2 R96.2
/Codec/I2C_SDA: J6.3 R8.2 R16.2 R95.2
/Codec/I2S_DIN: J6.38 R6.2
/Codec/I2S_DOUT: J6.40 R5.2
/Codec/I2S_LRCK: J6.35 R1.2 R4.2
/Codec/I2S_MCLK: R2.2 X1.3
/Codec/I2S_SCLK: J6.12 R3.2
/Codec/RADIO_L: C17.2 R10.2 R11.2
/Codec/RADIO_R: C18.2 R12.2 R13.2
/DEBUG/DEBUG_JMS-SWDIO: R179.1 U13.132
/DEBUG/DEBUG_JTCK-SWCLK: R180.1 U13.138
/DEBUG/DEBUG_JTDI: R178.1 U13.139
/DEBUG/DEBUG_JTDO-SWO: R181.1 U13.162
/DEBUG/DEBUG_nJTRST: R177.1 U13.163
/DEBUG/nRST: C85.1 R182.1 R186.1 SW10.1 U13.33
/EINK-PMIC/EPD_CKV: R48.2 U13.101
/EINK-PMIC/EPD_CL: R32.1 U13.102
/EINK-PMIC/EPD_D0: R38.1 U13.145
/EINK-PMIC/EPD_D1: R39.2 U13.146
/EINK-PMIC/EPD_D2: R40.1 U13.147
/EINK-PMIC/EPD_D3: R41.2 U13.148
/EINK-PMIC/EPD_D4: R42.1 U13.149
/EINK-PMIC/EPD_D5: R43.2 U13.150
/EINK-PMIC/EPD_D6: R44.1 U13.94
/EINK-PMIC/EPD_D7: R45.2 U13.95
/EINK-PMIC/EPD_GMODE: R47.2 U13.103
/EINK-PMIC/EPD_LE: R33.2 U13.104
/EINK-PMIC/EPD_OE: R34.1 U13.107
/EINK-PMIC/EPD_PMIC_PWRUP: R26.1 U9.8 U13.155
/EINK-PMIC/EPD_PMIC_SCL: R25.1 R189.2 U9.6 U13.168
/EINK-PMIC/EPD_PMIC_SDA: R24.1 R190.2 U9.7 U13.166
/EINK-PMIC/EPD_PMIC_VCOM: R23.1 U9.5 U13.153
/EINK-PMIC/EPD_PMIC_WAKEUP: R27.1 U9.4 U13.156
/EINK-PMIC/EPD_SPH: R35.2 U13.108
/EINK-PMIC/EPD_SPV: R49.2 U13.109
/EINK-PMIC/VCOM: C36.1 J5.21 J5.23 TP12.1 U2.14 U9.14
/EINK-PMIC/VN: C24.2 C32.2 C39.2 D2.2 U2.4 U2.16 U2.23 U2.28 U2.29 U2.49
/EINK_MISO: R100.2 U13.51
/EINK_MOSI: R99.2 U13.52
/EINK_nCS: R102.1 U13.154
/EINK_SCLK: R101.2 U13.50
/IMU1_MISO: R143.2 U13.4
/IMU1_MOSI: R142.2 U13.5
/IMU1_nCS1: R144.2 R183.2 U13.2
/IMU1_nCS2: R145.2 U13.3
/IMU1_SCLK: R141.2 U13.1
/IMU2_DRDY: R154.2 U13.55
/IMU2_FSYNC: R152.2 U13.56
/IMU2_nINT: R153.2 R176.2 U13.57
/IMU2_SCL: R150.2 R191.2 U13.78
/IMU2_SDA: R151.2 R192.2 U13.79
/KEYBOARD/KEY_DOWN: R158.2 U13.123
/KEYBOARD/KEY_ENTER: R165.2 U13.41
/KEYBOARD/KEY_ESCAPE: R166.2 U13.9
/KEYBOARD/KEY_FUNC1: R167.2 U13.124
/KEYBOARD/KEY_FUNC2: R168.2 U13.125
/KEYBOARD/KEY_LEFT: R159.2 U13.53
/KEYBOARD/KEY_MENU: R173.2 U13.42
/KEYBOARD/KEY_RIGHT: R160.2 U13.54
/KEYBOARD/KEY_UP: R157.2 U13.122
/MCU/BAT_SENSING: R139.1 U13.37
/MCU/BOOT0: C86.1 R188.2 SW11.2 U13.167
/MCU/EINK_BUSY: R161.2 U13.11
/MCU/EINK_CMD: R126.2 U13.10
/MCU/EN_5V_MCU: D16.2 JP14.1 U13.169
/MCU/FMC_A0: R51.2 U13.18
/MCU/FMC_A1: R53.2 U13.19
/MCU/FMC_A2: R55.2 U13.20
/MCU/FMC_A3: R57.2 U13.21
/MCU/FMC_A4: R59.2 U13.22
/MCU/FMC_A5: R61.2 U13.23
/MCU/FMC_A6: R63.2 U13.59
/MCU/FMC_A7: R65.2 U13.60
/MCU/FMC_A8: R68.2 U13.61
/MCU/FMC_A9: R71.2 U13.62
/MCU/FMC_A10: R74.2 U13.63
/MCU/FMC_A11: R78.2 U13.66
/MCU/FMC_A12: R81.2 U13.110
/MCU/FMC_BA0: R85.2 U13.114
/MCU/FMC_BA1: R86.2 U13.115
/MCU/FMC_CKE1: R94.2 U13.164
/MCU/FMC_CLK: R93.2 U13.118
/MCU/FMC_D0: R50.1 U13.97
/MCU/FMC_D1: R52.1 U13.98
/MCU/FMC_D2: R54.1 U13.143
